# Altium PCB PCB1.PcbDoc (part 2 of 2) (continued)
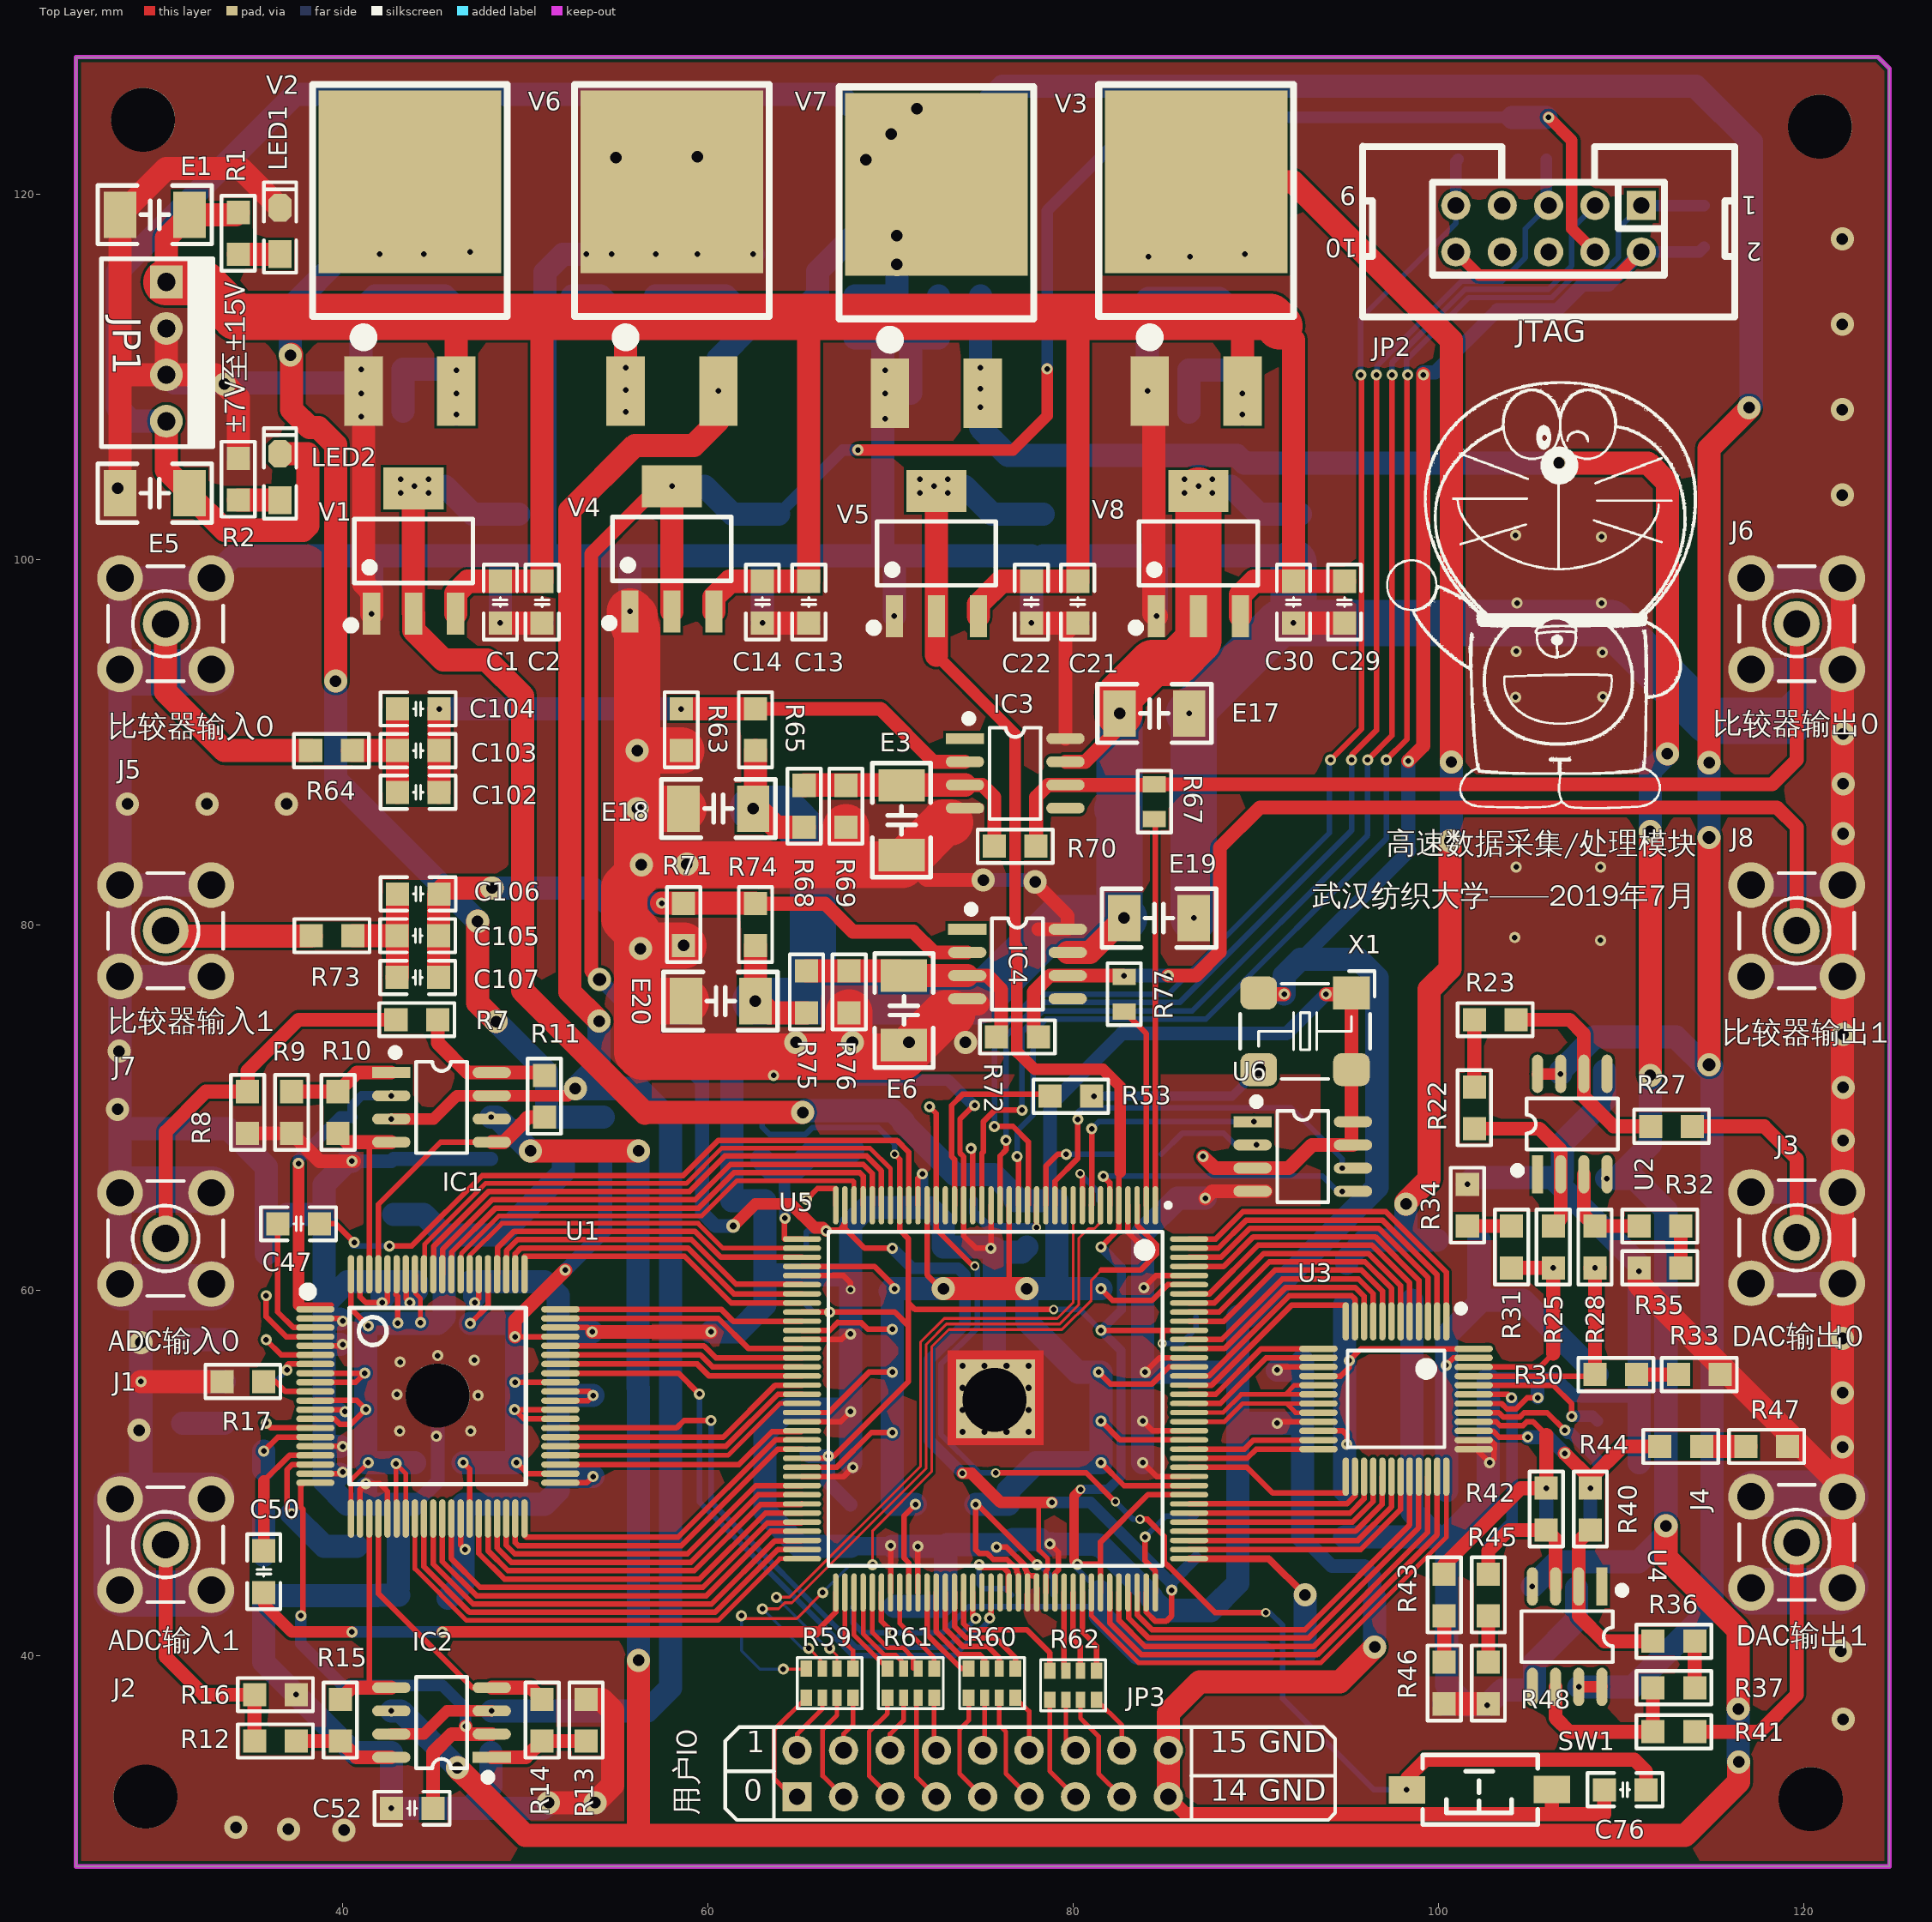
[diagram p0: Top Layer view]
## Nets (pads, with @x,y where several pads share a name; then routed paths per layer and width w, separated by ;. In a path a pad name is that pad's centre, name@x,y a point inside that pad or via, vN(x,y) a via of type N, cw(c..) or ccw(c..) an arc to the next point about the centre after c; other vN are vias at no path point) (continued)
GPIO1: R59.7 U5.7 | length 39.2
  Top Layer w0.152: v1(62.992,42.545) 63.881,42.545 64.211,42.875 64.61,42.875 71.958,50.223 71.958,57.022 73.077,58.141 79.269,58.141 80.315,59.186 80.315,62.825 80.853,63.363 81.167,63.363 81.51,63.706 U5.7@81.51,64.642 ; v1(65.532,40.386) 66.275,39.643 R59.7@66.275,39.281
  Bottom Layer w0.152: v1(62.992,42.545) 65.151,40.386 v1(65.532,40.386)
GPIO2: R59.6 U5.10 | length 37.6
  Top Layer w0.152: v1(63.754,43.18) 64.484,43.18 71.653,50.35 71.653,57.149 72.95,58.445 79.143,58.445 80.01,59.312 U5.10@80.01,64.642 ; v1(66.675,40.386) 67.075,39.986 R59.6@67.075,39.281
  Bottom Layer w0.152: v1(63.754,43.18) 66.548,40.386 v1(66.675,40.386)
GPIO3: R59.5 U5.74 | length 4.3
  Top Layer w0.254: U5.74@67.51,43.442 67.51,40.694 67.955,40.249 R59.5@67.955,39.281
GPIO4: R61.4 U5.75 | length 4.9
  Top Layer w0.254: U5.75@68.01,43.442 68.01,41.111 R61.4@69.84,39.281
GPIO5: R61.3 U5.76 | length 5.4
  Top Layer w0.254: U5.76@68.51,43.442 68.51,41.186 69.685,40.01 70.281,40.01 70.72,39.571 R61.3@70.72,39.281
GPIO6: R61.2 U5.77 | length 5.8
  Top Layer w0.254: U5.77@69.01,43.442 69.01,41.26 69.854,40.417 70.679,40.417 71.249,39.847 71.249,39.281 R61.2@71.52,39.281
GPIO7: R61.1 U5.80 | length 4.9
  Top Layer w0.254: U5.80@70.51,43.442 70.51,41.758 72.4,39.868 R61.1@72.4,39.281
GPIO8: R60.8 U5.83 | length 5.3
  Top Layer w0.305: U5.83@72.01,43.442 72.01,41.147 73.876,39.281 R60.8@74.285,39.281
GPIO9: R60.7 U5.84 | length 5.9
  Top Layer w0.305: U5.84@72.51,43.442 72.51,41.294 73.768,40.036 74.899,40.036 75.165,39.77 R60.7@75.165,39.281
GPIO10: R60.6 U5.85 | length 6.2
  Top Layer w0.305: U5.85@73.01,43.442 73.01,41.44 73.957,40.493 75.331,40.493 75.965,39.859 R60.6@75.965,39.281
GPIO11: R60.5 U5.86 | length 6.5
  Top Layer w0.305: U5.86@73.51,43.442 73.51,41.587 74.147,40.95 75.763,40.95 76.845,39.868 R60.5@76.845,39.281
GPIO12: R62.8 U5.87 | length 8.1
  Top Layer w0.305: U5.87@74.01,43.442 74.01,41.733 74.336,41.407 77.465,41.407 78.73,40.142 R62.8@78.73,39.154
GPIO13: R62.7 U5.98 | length 4.3
  Top Layer w0.305: U5.98@79.51,43.442 79.51,39.254 R62.7@79.61,39.154
GPIO14: R62.6 U5.99 | length 4.5
  Top Layer w0.305: U5.99@80.01,43.442 80.01,40.894 80.41,40.494 R62.6@80.41,39.154
GPIO15: R62.5 U5.100 | length 4.6
  Top Layer w0.305: U5.100@80.51,43.442 80.51,41.283 81.29,40.503 R62.5@81.29,39.154
GPIO_OUT0: JP3.1 R59.1 | length 6.8
  Top Layer w0.254: JP3.1@64.897,32.258 64.643,32.258 63.627,33.274 63.627,35.913 R59.1@65.395,37.681
GPIO_OUT1: JP3.2 R59.2 | length 3.5
  Top Layer w0.254: JP3.2@64.897,34.798 64.897,35.687 66.275,37.065 R59.2@66.275,37.681
GPIO_OUT2: JP3.3 R59.3 | length 6.2
  Top Layer w0.254: R59.3@67.075,37.681 67.075,36.722 66.294,35.941 66.294,33.401 JP3.3@67.437,32.258
GPIO_OUT3: JP3.4 R59.4 | length 3.1
  Top Layer w0.254: JP3.4@67.437,34.798 67.437,35.687 67.955,36.205 R59.4@67.955,37.681
GPIO_OUT4: JP3.5 R61.5 | length 6.3
  Top Layer w0.254: R61.5@69.84,37.681 69.84,36.82 68.834,35.814 68.834,33.401 JP3.5@69.977,32.258
GPIO_OUT5: JP3.6 R61.6 | length 3.2
  Top Layer w0.254: JP3.6@69.977,34.798 69.977,35.687 70.72,36.43 R61.6@70.72,37.681
GPIO_OUT6: JP3.7 R61.7 | length 5.9
  Top Layer w0.254: R61.7@71.52,37.681 71.438,37.599 71.438,33.337 JP3.7@72.517,32.258
GPIO_OUT7: JP3.8 R61.8 | length 2.9
  Top Layer w0.254: R61.8@72.4,37.681 72.4,34.915 JP3.8@72.517,34.798
GPIO_OUT8: JP3.9 R60.1 | length 6.2
  Top Layer w0.254: R60.1@74.285,37.681 74.285,36.439 73.787,35.941 73.787,33.528 JP3.9@75.057,32.258
GPIO_OUT9: JP3.10 R60.2 | length 2.9
  Top Layer w0.254: JP3.10@75.057,34.798 75.165,34.906 R60.2@75.165,37.681
GPIO_OUT10: JP3.11 R60.3 | length 6.1
  Top Layer w0.254: R60.3@75.965,37.681 75.965,36.176 76.327,35.814 76.327,33.528 JP3.11@77.597,32.258
GPIO_OUT11: JP3.12 R60.4 | length 3.2
  Top Layer w0.254: R60.4@76.845,37.681 77.597,36.929 JP3.12@77.597,34.798
GPIO_OUT12: JP3.13 R62.1 | length 5.9
  Top Layer w0.254: R62.1@78.73,37.554 78.73,33.665 JP3.13@80.137,32.258
GPIO_OUT13: JP3.14 R62.2 | length 3
  Top Layer w0.254: R62.2@79.61,37.554 79.61,35.325 JP3.14@80.137,34.798
GPIO_OUT14: JP3.15 R62.3 | length 6.2
  Top Layer w0.254: R62.3@80.41,37.554 80.41,36.557 81.407,35.56 81.407,33.528 JP3.15@82.677,32.258
GPIO_OUT15: JP3.16 R62.4 | length 3.3
  Top Layer w0.254: R62.4@81.29,37.554 82.677,36.167 JP3.16@82.677,34.798
IOUTA1: C67.1 R25.2 R31.1 U3.46 | length 11.6
  Top Layer w0.305: U3.46@101.942,55.785 105.569,55.785 106.3,56.516
  Top Layer w0.762: R31.1@104.013,61.214 v3(106.3,61.214) 106.3,56.516
IOUTA2: C67.2 R28.2 R30.2 U3.45 | length 12.5
  Top Layer w0.305: U3.45@101.942,55.285 108.498,55.285 R30.2@108.585,55.372
  Top Layer w0.762: R30.2@108.585,55.372 v3(108.586,61.214)
IOUTB1: C72.1 R40.2 R44.1 U3.39 | length 14.7
  Top Layer w0.305: U3.39@101.942,52.285 101.962,52.265 103.016,52.265 103.337,51.943 v1(104.902,51.943)
  Top Layer w0.762: v1(106.934,51.054) R40.2@108.331,49.657 ; v1(108.331,49.149) R40.2@108.331,49.657 ; R44.1@112.141,51.435 110.109,51.435 R40.2@108.331,49.657
  Bottom Layer w0.762: v1(104.902,51.943) 106.045,51.943 v1(106.934,51.054) ; C72.1@108.331,46.99 v1(108.331,49.149)
IOUTB2: C72.2 R42.2 R43.2 U3.40 | length 17.4
  Top Layer w0.305: U3.40@101.962,52.805 U3.40@101.942,52.785 103.175,52.785 103.382,52.578 104.644,52.578 104.851,52.785 105.203,52.785 105.918,52.07
  Top Layer w0.762: R43.2@100.33,44.45 100.33,44.958 104.521,49.149 v1(105.918,49.149) 105.918,52.07
  Bottom Layer w0.762: v1(105.918,49.149) 105.918,47.117 C72.2@106.045,46.99
IREF: R17.2 U1.10 | length 3
  Top Layer w0.305: R17.2@35.687,54.991 36.322,54.991 36.866,54.447 U1.10@38.506,54.447
NCE: R49.2 U5.21 | length 3.3
  Top Layer w0.305: v1(74.422,67.754) 74.51,67.843 U5.21@74.51,64.642
NCSO: U5.8 U6.1 | length 13.2
  Top Layer w0.305: U5.8@81.01,64.642 81.026,64.658 v1(81.026,68.834)
  Bottom Layer w0.305: v1(81.026,68.834) 81.407,69.215 v1(89.916,69.215)
NetC47_1: C47.1 U1.3 | length 7.2
  Top Layer w0.305: C47.1@36.449,63.627 36.449,58.801 37.303,57.947 U1.3@38.506,57.947
NetC50_1: C50.1 U1.17 | length 7.2
  Top Layer w0.305: 35.687,49.542 37.092,50.947 U1.17@38.506,50.947
  Top Layer w0.635: C50.1@35.687,45.72 35.687,49.542
NetC55_1: C55.1 R18.2 | length 2.3
  Bottom Layer w1.27: R18.2@31.242,57.277 C55.1@33.528,57.277
NetC56_1: C56.1 R19.2 | length 2.3
  Bottom Layer w1.27: R19.2@31.242,54.991 C56.1@33.528,54.991
NetC57_1: C57.1 R20.2 | length 2.3
  Bottom Layer w1.27: R20.2@31.242,52.705 C57.1@33.528,52.705
NetC58_1: C58.1 R21.2 | length 2.4
  Bottom Layer w1.27: R21.2@35.687,45.466 C58.1@35.687,47.879
NetC71_1: C71.1 U3.43 | length 10.8
  Top Layer w0.305: U3.43@101.942,54.285 103.83,54.285 v1(104.013,54.102)
  Bottom Layer w0.635: C71.1@102.743,45.974 104.051,47.282 104.051,53.705 104.038,53.718 104.038,54.077 v1(104.013,54.102)
NetC102_1: C102.1 C103.1 C104.1 R64.1 | length 7
  Top Layer w1.27: R64.1@40.538,89.535 C103.1@43.002,89.535 ; C102.1@43.002,87.249 C103.1@43.002,89.535 ; C104.1@43.002,91.821 C103.1@43.002,89.535
NetC102_2: C102.2 C103.2 C104.2 IC3.2 R63.1 R65.2 | length 34.6
  Top Layer w0.762: R65.2@62.611,91.821 69.469,91.821 72.366,88.924 IC3.2@74.085,88.924
  Top Layer w1.27: C102.2@45.288,87.249 C103.2@45.288,89.535 v1(45.288,91.821) ; v1(58.547,91.821) R65.2@62.611,91.821
  Bottom Layer w1.27: v1(45.288,91.821) v1(58.547,91.821)
NetC105_1: C105.1 C106.1 C107.1 R73.1 | length 7
  Top Layer w1.27: R73.1@40.589,79.4 C105.1@42.977,79.4 ; C107.1@42.977,77.114 43.002,77.139 C106.1@43.002,81.686
NetC105_2: C105.2 C106.2 C107.2 IC4.2 R71.1 R74.2 | length 35.1
  Top Layer w0.762: R74.2@62.738,81.153 66.421,81.153 67.945,79.629 71.247,79.629 72.392,78.484 IC4.2@74.212,78.484
  Top Layer w1.27: C107.2@45.263,77.114 C105.2@45.263,79.4 45.263,81.661 C106.2@45.288,81.686 45.618,82.017 v2(48.184,82.017) ; v1(57.48,81.178) 62.586,81.178 R74.2@62.611,81.153 R74.2@62.738,81.153
  Bottom Layer w1.27: v2(48.184,82.017) 53.67,82.017 54.534,81.153 54.559,81.178 v1(57.48,81.178)
NetE3_1: E3.1 IC3.3 R68.1 R69.2 R70.2 | length 13.4
  Top Layer w0.762: IC3.3@74.085,87.654 75.033,87.654 75.692,86.995 R70.2@75.692,84.302
  Top Layer w1.27: R68.1@65.278,87.63 65.302,87.654 IC3.3@74.085,87.654
NetE6_1: E6.1 IC4.3 R72.2 R75.1 R76.2 | length 13.8
  Top Layer w0.762: IC4.3@74.212,77.214 75.313,77.214 76.073,76.454 76.073,74.116 R72.2@75.819,73.862
  Top Layer w1.016: E6.1@70.485,77.47 E6.1@70.739,77.216
  Top Layer w1.27: R75.1@65.405,77.47 R76.2@67.742,77.47 E6.1@70.485,77.47 ; E6.1@70.739,77.216 70.741,77.214 IC4.3@74.212,77.214
NetE15_1: E15.1 L4.2 U5.109 | length 10.3
  Top Layer w0.381: U5.109@86.36,45.292 90.725,45.292 v2(92.71,43.307)
  Bottom Layer w1.27: L4.2@92.71,40.132 E15.1@92.71,43.18 v2(92.71,43.307)
NetE16_1: E16.1 L2.2 U5.37 | length 10.4
  Top Layer w0.305: v1(64.224,63.932) 64.208,63.916 64.208,62.792 U5.37@65.16,62.792
  Bottom Layer w0.635: 64.198,66.548 64.198,65.38 64.224,65.355 v1(64.224,63.932)
  Bottom Layer w1.27: L2.2@62.967,67.158 63.576,66.548 64.198,66.548 64.706,66.548 65.718,67.56 67.814,67.56 E16.1@67.945,67.691
NetIC1_1: IC1.1 R9.2 R10.2 | length 5.9
  Top Layer w0.762: R9.2@37.211,70.866 R10.2@39.751,70.866 40.791,71.906 IC1.1@42.672,71.906
NetIC1_8: IC1.8 R7.1 R11.2 | length 7.7
  Top Layer w0.762: R7.1@45.212,74.803 45.212,73.533 46.839,71.906 IC1.8@48.172,71.906 R11.2@50.927,71.906
NetIC2_1: IC2.1 R13.2 R14.2 | length 5.5
  Top Layer w0.762: IC2.1@48.172,34.417 50.038,34.417 R14.2@50.927,35.306 R13.2@53.34,35.306
NetIC2_8: IC2.8 R12.1 R15.2 | length 5.6
  Top Layer w0.762: R12.1@37.465,35.306 R15.2@39.878,35.306 40.767,34.417 IC2.8@42.672,34.417
NetIC3_6: IC3.6 J6.1 R67.1 R70.1 | length 52.5
  Top Layer w0.762: R70.1@77.978,84.302 77.978,86.995 78.637,87.654 IC3.6@79.585,87.654 R67.1@84.365,87.654 ; R67.1@84.455,87.691 118.298,87.691 119.634,89.027 J6.1@119.634,96.48
NetIC4_6: IC4.6 J8.1 R72.1 R77.1 | length 58
  Top Layer w0.762: R72.1@78.105,73.862 77.851,74.116 77.851,76.327 78.738,77.214 IC4.6@79.712,77.214 82.74,77.214 R77.1@82.804,77.15 ; v1(85.217,77.216) 86.741,77.216 88.036,78.511 88.036,84.226 90.233,86.423 118.554,86.423 119.634,85.344 J8.1@119.634,79.674
  Bottom Layer w0.762: v1(82.804,77.216) v1(85.217,77.216)
NetJ1_1: J1.1 R7.2 R8.1 | length 21.7
  Top Layer w0.762: J1.1@30.311,62.825 30.313,68.667 32.512,70.866 R8.1@34.798,70.866 34.798,72.009 37.592,74.803 R7.2@42.926,74.803
NetJ2_1: J2.1 R12.2 R16.2 | length 14.4
  Top Layer w0.762: J2.1@30.313,46.061 30.313,39.918 32.385,37.846 R16.2@35.179,37.846 R12.2@35.179,35.306
NetJ3_1: J3.1 R27.2 | length 10.8
  Top Layer w0.762: R27.2@113.919,68.961 117.856,68.961 119.634,67.183 J3.1@119.634,62.867
NetJ4_1: J4.1 R41.2 | length 14.8
  Top Layer w0.762: R41.2@114.046,35.814 117.602,35.814 119.634,37.846 J4.1@119.634,46.186
NetJ5_1: J5.1 R64.2 | length 13
  Top Layer w1.27: J5.1@30.313,96.48 30.313,92.75 33.528,89.535 R64.2@38.252,89.535
NetJ7_1: J7.1 R73.2 | length 8.1
  Top Layer w1.27: J7.1@30.313,79.674 30.612,79.375 R73.2@38.278,79.375
NetL1_1: L1.1 U5.36 | length 2.8
  Top Layer w0.305: v1(65.405,64.96) 66.002,65.557 67.01,65.557 U5.36@67.01,64.642
NetL3_1: L3.1 U5.108 | length 6.5
  Top Layer w0.305: v1(83.947,46.482) 83.947,45.187 84.51,44.624 U5.108@84.51,43.442
  Bottom Layer w0.305: v1(83.947,46.482) 85.09,47.625 L3.1@86.741,47.625
NetLED1_1: LED1.1 R1.2 | length 2.3
  Top Layer w1.27: R1.2@34.29,116.713 LED1.1@36.576,116.713
NetLED2_1: LED2.1 R2.2 | length 2.3
  Top Layer w1.27: R2.2@34.29,103.251 LED2.1@36.576,103.251
NetR22_1: R22.1 R23.2 | length 3.7
  Top Layer w0.762: R22.1@101.981,71.12 R23.2@101.981,74.803
NetR22_2: R22.2 R25.1 U2.2 | length 9.5
  Top Layer w0.762: R22.2@101.981,68.834 105.537,68.834 106.706,67.665 U2.2@106.706,66.338 106.706,63.906 R25.1@106.3,63.5
NetR23_1: R23.1 R27.1 U2.6 | length 11.8
  Top Layer w0.762: R23.1@104.267,74.803 107.188,74.803 107.976,74.015 U2.6@107.976,71.838 107.976,70.586 109.601,68.961 R27.1@111.633,68.961
NetR28_1: R28.1 R32.1 U2.3 | length 5.5
  Top Layer w0.762: U2.3@107.976,66.338 107.976,64.11 R28.1@108.586,63.5 R32.1@110.998,63.5
NetR30_1: R30.1 R33.2 | length 2.3
  Top Layer w0.762: R30.1@110.871,55.372 R33.2@113.157,55.372
NetR31_2: R31.2 R34.1 | length 2.4
  Top Layer w0.762: R34.1@101.6,63.5 R31.2@104.013,63.5
NetR32_2: R32.2 R35.1 | length 2.3
  Top Layer w0.762: R35.1@113.284,61.214 R32.2@113.284,63.5
NetR36_1: R36.1 R37.2 | length 2.5
  Top Layer w0.762: R37.2@114.046,38.227 R36.1@114.046,40.767
NetR36_2: R36.2 R40.1 U4.2 | length 9.6
  Top Layer w0.762: R40.1@108.331,46.863 107.696,46.228 U4.2@107.696,43.771 107.696,42.164 109.093,40.767 R36.2@111.76,40.767
NetR37_1: R37.1 R41.1 U4.6 | length 9.8
  Top Layer w0.762: U4.6@106.426,38.271 106.426,36.576 107.188,35.814 R41.1@111.76,35.814 R37.1@111.76,38.227
NetR38_1: R38.1 U3.44 | length 8
  Top Layer w0.305: U3.44@101.942,54.785 106.302,54.785 107.315,53.772 v1(107.315,53.086)
  Bottom Layer w0.635: v1(107.315,53.086) 108.458,53.086 R38.1@108.712,52.832
NetR39_1: R39.1 U3.41 | length 8.2
  Top Layer w0.305: U3.41@101.942,53.285 103.322,53.285 103.571,53.035 104.455,53.035 104.704,53.285 105.973,53.285 v1(106.934,52.324)
  Bottom Layer w0.635: v1(106.934,52.324) 107.099,52.159 107.286,52.159 108.712,50.733 R39.1@108.712,50.546
NetR42_1: R42.1 R45.2 U4.3 | length 8.2
  Top Layer w0.762: R45.2@102.743,44.45 102.743,45.72 103.886,46.863 R42.1@105.918,46.863 106.426,46.355 U4.3@106.426,43.771
NetR43_1: R43.1 R46.2 | length 2.5
  Top Layer w0.762: R46.2@100.33,39.624 R43.1@100.33,42.164
NetR44_2: R44.2 R47.1 | length 2.4
  Top Layer w1.27: R44.2@114.427,51.435 R47.1@116.84,51.435
NetR45_1: R45.1 R48.1 | length 2.5
  Top Layer w0.762: R48.1@102.743,39.624 R45.1@102.743,42.164
NetR50_2: R50.2 U5.92 | length 6
  Top Layer w0.305: v1(74.867,44.958) 75.028,44.796 76.198,44.796 76.465,44.53 76.465,43.487 U5.92@76.51,43.442
  Bottom Layer w0.305: v1(74.867,44.958) 74.867,43.878 75.082,43.663 76.289,43.663 R50.2@76.644,43.307
NetR51_2: R51.2 U5.14 | length 5.7
  Top Layer w0.305: v3(78.003,63.424) 78.01,63.43 U5.14@78.01,64.642
  Bottom Layer w0.508: R51.2@74.549,64.897 74.549,64.262 75.387,63.424 v3(78.003,63.424)
NetR52_2: R52.2 U5.9 | length 3.7
  Top Layer w0.305: v3(80.391,66.37) 80.51,66.251 U5.9@80.51,64.642
  Bottom Layer w0.305: v3(80.391,66.37) 81.407,65.354 R52.2@81.407,64.897
NetR53_1: R53.1 X1.3 | length 9.6
  Bottom Layer w0.508: v1(81.153,70.612) 88.714,70.612 v6(90.17,72.068)
NetR58_1: R58.1 U6.2 | length 5.9
  Bottom Layer w0.305: R58.1@84.836,67.437 85.979,68.58 88.265,68.58 88.9,67.945 v1(90.043,67.945)
OPA_5.0V: C19.2 C20.2 C45.1 C53.1 C68.2 C73.2 E9.1 IC1.3 IC1.7 IC2.3 IC2.7 U2.7 U2.8 U4.7 U4.8 V6.3 | length 283.9
  Top Layer w0.635: IC2.7@42.672,35.687 44.45,35.687 45.72,36.957 v1(48.172,36.957) ; v1(42.672,69.366) 44.982,69.366 46.252,70.636 IC1.7@48.172,70.636 52.348,70.636 v2(52.743,71.031) ; U2.8@105.436,71.838 v1(106.706,71.838) ; v1(107.696,38.271) U4.8@108.966,38.271
  Top Layer w1.27: v2(54.051,74.727) 52.451,76.327 52.451,102.692 56.007,106.248 59.233,106.248 60.579,107.594 v1(60.579,109.22) ; v5(114.833,72.339) v5(114.833,84.785) ; v2(114.833,88.875) 114.833,106.07 117.018,108.255 v2(117.018,108.306)
  Bottom Layer w1.27: v1(48.172,36.957) C53.1@48.26,36.957 56.693,36.957 57.963,38.227 57.963,69.291 56.223,71.031 v2(52.743,71.031) 54.051,72.339 v2(54.051,74.727) ; C20.2@57.15,114.427 C19.2@59.436,114.427 60.96,114.427 E9.1@62.484,112.903 ; v1(60.579,109.22) 60.579,110.998 E9.1@62.484,112.903 ; v1(106.706,71.838) 106.706,72.005 108.551,73.85 113.017,73.85 v5@114.833,72.034 ; v1(107.696,38.271) 110.661,38.271 114.986,42.596 114.986,71.882 v5@114.833,72.034 ; v5(114.833,72.339) 114.986,72.187 v5@114.833,72.034 ; v5(114.833,84.785) v2(114.833,88.875) ; v2@117.145,108.483 117.145,122.86 114.097,125.908 76.149,125.908 66.015,115.773 66.015,114.503 64.414,112.903 E9.1@62.484,112.903
OPA_-5.0V: C27.2 C28.2 C49.2 C54.2 C69.2 C74.2 E12.1 IC1.6 IC2.6 U2.4 U4.4 V7.3 | length 254.8
  Top Layer w1.27: v2(46.291,33.846) 46.335,33.802 46.335,33.791 46.796,33.33 46.807,33.33 50,30.137 56.21,30.137 ; v2(50.292,67.615) v2(56.21,67.615) ; v2(56.21,39.726) 56.21,30.188 ; v2(106.604,105.283) 111.481,105.283 112.547,104.216 v2(112.547,89.357) ; v2(111.608,71.755) v2(111.608,85.115) ; v2(112.471,47.092) 112.471,45.339 116.434,41.377 v2(116.434,37.059) ; v2(116.459,34.163) 116.459,33.071 113.525,30.137 56.261,30.137 ; 56.21,30.137 56.261,30.137 ; 56.21,30.137 56.21,30.188 ; 56.21,30.188 56.261,30.137
  Bottom Layer w1.27: v1(42.672,36.957) 43.18,36.957 v2(46.291,33.846) ; v1(48.133,69.469) 48.438,69.469 v2(50.292,67.615) ; v2(56.21,39.726) 56.21,54.64 56.185,54.666 56.185,67.589 v2(56.21,67.615) ; v1(74.93,108.331) 74.93,107.213 76.454,105.689 88.981,105.689 89.387,105.283 v2(106.604,105.283) ; E12.1@74.93,109.093 v1(74.93,109.347) v1(74.93,110.49) C27.2@74.93,112.141 C28.2@74.93,114.427 ; v1(105.156,43.771) 106.495,45.11 110.96,45.11 112.471,46.622 v2(112.471,47.092) 112.471,64.376 110.744,66.103 109.741,66.103 ; v1(109.22,66.103) 109.741,66.103 ; v2(111.608,71.755) 111.608,67.97 109.741,66.103 ; v2(111.608,85.115) 111.608,88.57 111.76,88.57 v2(112.547,89.357) ; v2(116.434,37.059) 116.434,34.188 v2(116.459,34.163)
REFMA: C55.2 U1.6 | length 3
  Top Layer w0.305: v1(35.814,57.277) 36.644,56.447 U1.6@38.506,56.447
REFMB: C57.2 U1.14 | length 2.8
  Top Layer w0.305: v1(35.814,52.705) 36.072,52.447 U1.14@38.506,52.447
REFPA: C56.2 U1.7 | length 3.2
  Top Layer w0.305: v1(36.957,55.626) 36.957,55.88 37.024,55.947 U1.7@38.506,55.947
  Bottom Layer w0.305: C56.2@35.814,54.991 36.322,54.991 v1(36.957,55.626)
REFPB: C58.2 U1.15 | length 4.2
  Top Layer w0.305: v1(35.687,51.181) 36.453,51.947 U1.15@38.506,51.947
  Bottom Layer w1.27: C58.2@35.687,50.165 v1(35.687,51.181)
TCK: JP2.1 R54.1 U5.16 | length 81.1
  Top Layer w0.305: v1(76.937,67.31) 77.01,67.237 U5.16@77.01,64.642 ; v1(97.155,89.027) 98.298,90.17 v1@98.298,110.236
  Bottom Layer w0.305: v1@76.937,67.184 v1(76.937,67.31) 76.937,68.708 77.826,69.597 77.826,74.108 78.546,74.828 87.274,74.828 97.155,84.709 v1(97.155,89.027) ; v1@98.298,110.236 98.26,110.236 98.26,110.922 101.676,114.338 106.222,114.338 107.619,115.735 109.043,115.735 109.855,116.548 109.855,118.11 JP2.1@111.125,119.38
  Bottom Layer w0.635: JP2.1@111.125,119.38 R54.1@114.554,119.38
  other v1: 98.33,110.109
TDI: JP2.9 R56.1 U5.15 | length 73.5
  Top Layer w0.305: v1(75.692,68.961) 76.708,68.961 77.546,68.123 77.546,64.678 U5.15@77.51,64.642 ; v1(94.107,89.027) 95.809,90.729 95.809,110.058 v1(95.758,110.109)
  Bottom Layer w0.305: v1(75.692,68.961) 75.692,73.914 77.978,76.2 85.217,76.2 94.043,85.026 v1@94.043,88.875 ; v1@94.043,89.027 v1@94.043,88.875 ; v1@94.107,88.938 v1@94.043,88.875 ; v1(95.758,110.109) 95.758,113.195 100.965,118.402 JP2.9@100.965,119.38
  Bottom Layer w0.635: JP2.9@100.965,119.38 100.965,121.793 R56.1@101.092,121.92
TDO: JP2.3 U5.20 | length 77
  Top Layer w0.305: U5.20@75.01,64.642 75.01,67.48 75.082,67.553 75.082,69.214 75.719,69.85 v1(77.216,69.85) ; v1(96.139,89.027) 97.46,90.348 v1@97.46,110.223
  Bottom Layer w0.305: v1(77.216,69.85) 77.216,74.145 78.357,75.286 86.525,75.286 96.139,84.9 v1(96.139,89.027) v1@96.139,89.09 ; v1@97.46,110.223 97.46,110.768 101.487,114.795 106.032,114.795 107.315,116.078 107.315,118.11 JP2.3@108.585,119.38
  other v1: 97.472,110.109
TLV0_OUT: R67.2 U5.1 | length 21.2
  Top Layer w0.305: R67.2@84.455,85.791 84.51,85.736 U5.1@84.51,64.642
TLV1_OUT: R77.2 U5.2 | length 11.1
  Top Layer w0.305: R77.2@82.804,75.25 84.01,74.044 U5.2@84.01,64.642
TLV_3.3V: C31.2 C32.2 E13.1 E17.1 E18.1 E19.1 E20.1 IC3.7 IC4.7 R65.1 R68.2 R74.1 R75.2 V8.2 | length 88
  Top Layer w0.762: IC3.7@79.585,88.924 80.669,88.924 82.55,90.805 v2(82.55,91.567)
  Top Layer w1.27: v2(62.611,75.819) E20.1@62.611,75.946 ; R74.1@62.611,78.867 E20.1@62.611,75.946 ; R65.1@62.611,89.535 62.611,86.487 63.754,85.344 R68.2@65.278,85.344 ; R75.2@65.405,75.184 63.373,75.184 E20.1@62.611,75.946 ; IC4.7@79.712,78.484 80.924,78.484 v2(82.804,80.364)
  Top Layer w2.54: v2(82.55,91.567) 82.55,92.532 84.346,94.329 85.632,94.329 86.868,95.564 V8.2@86.868,96.901 V8.2@86.868,103.759
  Bottom Layer w1.27: v1(86.868,104.013) 88.646,104.013 C31.2@90.17,102.489 C32.2@92.456,102.489
  Bottom Layer w2.54: v2(62.484,86.36) 64.033,86.36 65.761,84.633 65.761,75.819 ; v2(62.611,75.819) 65.761,75.819 ; 82.423,86.36 82.55,86.233 ; v2(82.55,91.567) 82.55,86.233 ; 65.761,75.819 74.766,75.819 79.311,80.364 v2(82.804,80.364) 82.55,80.618 82.55,86.233
  other v1: 86.106,103.632 87.63,103.632 86.106,104.394 87.63,104.394
TMS: JP2.5 R55.1 U5.18 | length 75.7
  Top Layer w0.305: U5.18@76.01,64.642 76.01,67.347 76.327,67.664 v1(76.327,68.199) ; v1(95.25,89.027) 95.25,89.281 96.615,90.646 v1(96.615,110.109)
  Bottom Layer w0.305: v1(76.327,68.199) 76.327,73.902 78.167,75.743 85.839,75.743 95.25,85.153 v1(95.25,89.027) ; v1@96.493,110.236 v1@96.647,110.236 ; v1@96.647,110.109 v1@96.647,110.236 ; JP2.5@106.045,119.38 104.775,118.11 104.775,116.522 103.505,115.252 101.297,115.252 96.647,110.602 v1@96.647,110.236
  Bottom Layer w0.635: R55.1@105.918,121.92 105.918,119.507 JP2.5@106.045,119.38
VCC: C1.2 C2.2 C5.2 C6.2 C9.2 C10.2 C13.2 C14.2 C17.2 C18.2 C21.2 C22.2 C29.2 C30.2 E1.1 JP1.1 R1.1 V1.3 V2.3 V3.3 V4.3 V5.3 V6.1 V8.3 | length 183.4
  Top Layer w1.27: JP1.1@30.353,115.189 30.353,117.602 E1.1@31.623,118.872 34.163,118.872 R1.1@34.29,118.999 ; V1.3@46.192,97.028 46.192,98.135 46.863,98.806 C1.2@48.641,98.806 C2.2@50.927,98.806 50.927,112.776 ; v1(46.228,110.363) 46.228,112.776 ; 55.372,112.776 55.499,112.649 v1(55.499,110.49) ; V4.3@60.339,97.155 60.339,97.931 61.214,98.806 C14.2@62.992,98.806 C13.2@65.532,98.806 65.532,112.649 65.659,112.776 ; V5.3@74.817,96.901 74.817,97.55 76.073,98.806 C22.2@77.724,98.806 C21.2@80.264,98.806 80.264,112.776 ; V8.3@89.168,96.901 89.168,98.058 89.916,98.806 C30.2@92.075,98.806 ; V3.3@89.281,109.22 89.281,112.776 ; 91.313,112.776 92.075,112.014 C30.2@92.075,98.806 ; C29.2@94.869,98.806 C30.2@92.075,98.806
  Top Layer w2.54: JP1.1@30.353,115.189 32.258,115.189 34.163,113.284 90.805,113.284 91.313,112.776
  Bottom Layer w1.27: C6.2@43.307,108.127 C5.2@43.307,110.414 46.177,110.414 v1(46.228,110.363) v1(46.228,109.093) v1(46.228,107.95) ; C18.2@52.578,114.427 54.102,114.427 55.499,113.03 v1(55.499,110.49) v1(55.499,109.283) v1(55.499,108.077) ; C9.2@86.36,108.077 C10.2@86.36,110.363 89.281,110.363 v1(89.281,109.093) v1(89.281,107.95)
VEE: C25.2 C26.2 E5.2 JP1.4 LED2.2 V7.2 | length 85.3
  Top Layer w1.27: JP1.4@30.353,107.569 30.353,104.902 E5.2@31.623,103.632 31.623,103.534 33.557,101.6 37.846,101.6 38.1,101.854 38.1,105.791 LED2.2@36.576,105.791
  Bottom Layer w1.27: JP1.4@30.353,107.569 28.448,107.569 27.686,108.331 27.686,115.748 37.414,125.476 67.183,125.476 68.529,124.13 68.529,121.768 v2(68.656,121.895) v2(70.053,123.292) v2(71.45,124.689) ; C25.2@68.072,114.427 C26.2@70.358,114.427 v2(70.358,116.154) v2(70.358,117.729)
VOA+: IC1.4 R10.1 U1.78 | length 10.4
  Top Layer w0.305: 41.402,68.096 41.462,68.036 U1.78@41.462,60.866
  Top Layer w0.762: R10.1@39.751,68.58 40.235,68.096 41.402,68.096 IC1.4@42.672,68.096
VOA-: IC1.5 R11.1 U1.77 | length 14.9
  Top Layer w0.305: U1.77@41.962,60.866 41.962,64.695 45.363,68.096 IC1.5@48.172,68.096
  Top Layer w0.762: IC1.5@48.172,68.096 48.831,68.096 49.755,69.021 49.755,69.059 50.165,69.469 R11.1@51.054,69.469
VOB+: IC2.4 R14.1 U1.24 | length 15.5
  Top Layer w0.305: U1.24@41.962,47.491 41.962,43.382 47.117,38.227 IC2.4@48.172,38.227
  Top Layer w0.762: IC2.4@48.172,38.227 50.292,38.227 R14.1@50.927,37.592
VOB-: IC2.5 R15.1 U1.23 | length 12.3
  Top Layer w0.305: 41.462,38.294 U1.23@41.462,47.491
  Top Layer w0.762: R15.1@39.878,37.592 40.513,38.227 IC2.5@42.672,38.227
pads on no net: IC3.1 IC3.5 IC4.1 IC4.5 JP2.6 JP2.7 JP2.8 U2.1 U2.5 U4.1 U4.5 U5.11 U5.24 U5.89 U5.91 U5.145
copper on no net:
  other v4: 73.96,52.242 75.16,52.242 76.36,52.242 77.56,52.242 73.96,53.442 75.16,53.442 76.36,53.442 77.56,53.442 73.96,54.642 75.16,54.642 76.36,54.642 77.56,54.642 73.96,55.842 75.16,55.842 76.36,55.842 77.56,55.842

## Polygon pours and split planes (outlines as drawn)
AGND on Bottom Layer "Keep-Out Layer-No Net" (solid, remove dead copper, pour order 36): 22.936,129.896 129.413,129.896 129.413,30.302 126.035,26.924 125.552,26.441 20.168,26.441
DGND on Bottom Layer "Keep-Out Layer-No Net" (solid, remove dead copper, pour order 30): 56.947,72.009 57.15,71.806 93.548,71.806 93.548,39.901 93.409,39.762 93.373,39.726 56.947,39.726
AGND on Top Layer "Keep-Out Layer-No Net" (solid, remove dead copper, pour order 40): 127.533,26.314 127.406,26.441 127.406,129.413 23.038,129.413 22.047,128.422 22.047,25.933
DGND on Top Layer "Keep-Out Layer-No Net" (solid, remove dead copper, pour order 32): 56.947,72.009 57.15,71.806 93.548,71.806 93.548,39.901 93.409,39.762 93.373,39.726 56.947,39.726

## Keep-outs
Keep-Out Layer:
  the board outline again, w0.254

## Other copper
Top Layer:
  rectangle net DGND: 73.127,51.511 78.384,56.693
Bottom Layer:
  rectangle net DGND: 73.533,51.841 78.13,56.159

## Silkscreen, mask and mechanical layers (free items; w line width, h text height)
Top Overlay:
  drawing of 5849 lines, arcs and shapes, not listed
  text "JTAG" at 104.267,111.506 h2.03
  text "±7V至±15V" at 35.052,106.934 h2.03 r90
  text "比较器输出0" at 115.062,90.043 h2.03
  text "比较器输入0" at 27.178,89.916 h2.03
  text "高速数据采集/处理模块" at 97.155,83.49 h2.03
  text "武汉纺织大学——2019年7月" at 93.091,80.645 h2.03
  text "比较器输入1" at 27.178,73.787 h2.03
  text "比较器输出1" at 115.57,73.152 h2.03
  text "DAC输出0" at 116.078,56.515 h2.03
  text "ADC输入0" at 27.176,56.261 h2.03
  text "DAC输出1" at 116.332,40.132 h2.03
  text "ADC输入1" at 27.176,39.878 h2.03
  text "1" at 62.103,34.29 h2.03
  text "15" at 87.503,34.29 h2.03
  text "GND" at 90.17,34.29 h2.03
  text "0" at 61.976,31.623 h2.03
  text "14" at 87.503,31.623 h2.03
  text "GND" at 90.17,31.623 h2.03
  text "用户IO" at 59.817,31.242 h2.03 r90
Top Solder:
  rectangle: 72.619,50.851 78.994,57.125
  rectangle: 42.494,51.587 47.828,56.769

## Text inside footprints (layer, text, board x,y; h text height)
JP2: Top Overlay "10" at 95.58,117.551 h1.02 r180; Top Overlay "9" at 95.504,120.396 h1.02 r180; Top Overlay "1" at 117.475,119.888 h1.02 r180; Top Overlay "2" at 117.729,117.348 h1.02 r180